# Allegro board Swan Feather PCB v3.0.brd (continued)
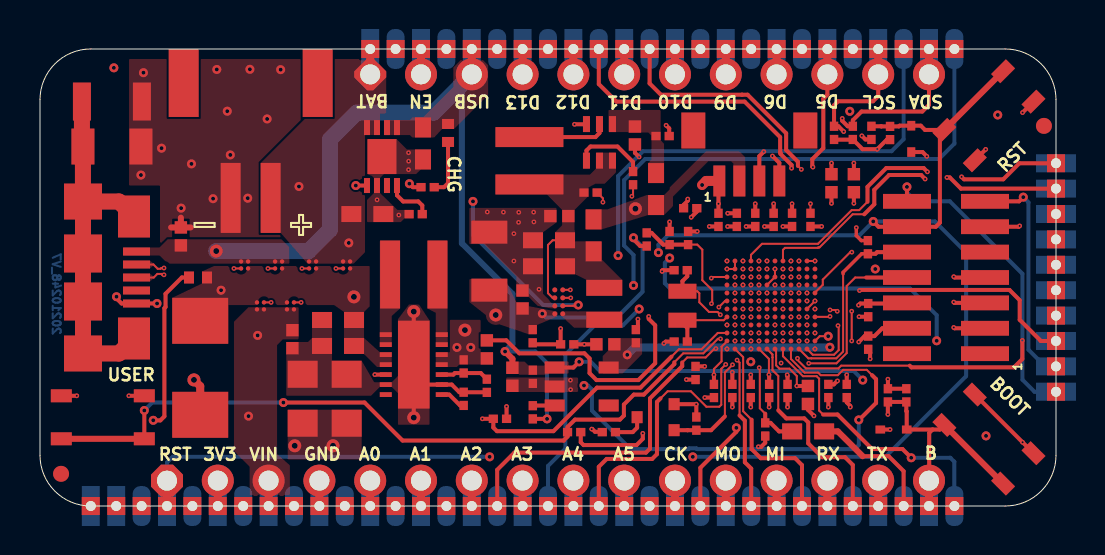
[diagram p0: board, top side]
## Placement (name value [footprint] x y rotation side) (continued)
PAD8  TPS  [PAD-THT-CAS-0050]  16.51 22.86 0 top
PAD9  TPS  [PAD-THT-CAS-0050]  17.78 0 0 top
PAD10  TPS  [PAD-THT-CAS-0050]  17.78 22.86 180 top
PAD11  TPS  [PAD-THT-CAS-0050]  19.05 0 0 top
PAD12  TPS  [PAD-THT-CAS-0050]  20.32 0 0 top
PAD13  TPS  [PAD-THT-CAS-0050]  21.59 0 0 top
PAD14  TPS  [PAD-THT-CAS-0050]  19.05 22.86 0 top
PAD15  TPS  [PAD-THT-CAS-0050]  20.32 22.86 180 top
PAD16  TPS  [PAD-THT-CAS-0050]  24.13 0 0 top
PAD17  TPS  [PAD-THT-CAS-0050]  21.59 22.86 0 top
PAD18  TPS  [PAD-THT-CAS-0050]  22.86 0 0 top
PAD19  TPS  [PAD-THT-CAS-0050]  22.86 22.86 180 top
PAD20  TPS  [PAD-THT-CAS-0050]  24.13 22.86 0 top
PAD21  TPS  [PAD-THT-CAS-0050]  25.4 0 0 top
PAD22  TPS  [PAD-THT-CAS-0050]  25.4 22.86 180 top
PAD23  TPS  [PAD-THT-CAS-0050]  26.67 0 0 top
PAD24  TPS  [PAD-THT-CAS-0050]  26.67 22.86 0 top
PAD25  TPS  [PAD-THT-CAS-0050]  27.94 0 0 top
PAD26  TPS  [PAD-THT-CAS-0050]  30.48 22.86 180 top
PAD27  TPS  [PAD-THT-CAS-0050]  29.21 0 0 top
PAD28  TPS  [PAD-THT-CAS-0050]  29.21 22.86 0 top
PAD29  TPS  [PAD-THT-CAS-0050]  30.48 0 0 top
PAD30  TPS  [PAD-THT-CAS-0050]  27.94 22.86 180 top
PAD31  TPS  [PAD-THT-CAS-0050]  31.75 0 0 top
PAD32  TPS  [PAD-THT-CAS-0050]  31.75 22.86 0 top
PAD33  TPS  [PAD-THT-CAS-0050]  33.02 0 0 top
PAD34  TPS  [PAD-THT-CAS-0050]  33.02 22.86 180 top
PAD35  TPS  [PAD-THT-CAS-0050]  34.29 0 0 top
PAD36  TPS  [PAD-THT-CAS-0050]  34.29 22.86 0 top
PAD37  TPS  [PAD-THT-CAS-0050]  35.56 0 0 top
PAD38  TPS  [PAD-THT-CAS-0050]  35.56 22.86 180 top
PAD39  TPS  [PAD-THT-CAS-0050]  36.83 0 0 top
PAD40  TPS  [PAD-THT-CAS-0050]  36.83 22.86 0 top
PAD41  TPS  [PAD-THT-CAS-0050]  38.1 0 0 top
PAD42  TPS  [PAD-THT-CAS-0050]  38.1 22.86 180 top
PAD43  TPS  [PAD-THT-CAS-0050]  39.37 0 0 top
PAD44  TPS  [PAD-THT-CAS-0050]  39.37 22.86 0 top
PAD45  TPS  [PAD-THT-CAS-0050]  40.64 0 0 top
PAD46  TPS  [PAD-THT-CAS-0050]  40.64 22.86 180 top
PAD47  TPS  [PAD-THT-CAS-0050]  41.91 0 0 top
PAD48  TPS  [PAD-THT-CAS-0050]  41.91 22.86 0 top
PAD49  TPS  [PAD-THT-CAS-0050]  43.18 0 0 top
PAD50  TPS  [PAD-THT-CAS-0050]  43.18 22.86 180 top
PAD51  TPS  [PAD-THT-CAS-0050]  44.45 0 0 top
PAD52  TPS  [PAD-THT-CAS-0050]  44.45 22.86 0 top
PAD53  TPS  [PAD-THT-CAS-0050]  45.72 0 0 top
PAD54  TPS  [PAD-THT-CAS-0050]  45.72 22.86 180 top
PAD55  TPS  [PAD-THT-CAS-0050]  50.8 5.71 90 top
PAD56  TPS  [PAD-THT-CAS-0050]  50.8 6.99 90 top
PAD57  TPS  [PAD-THT-CAS-0050]  50.8 8.26 90 top
PAD58  TPS  [PAD-THT-CAS-0050]  50.8 9.53 90 top
PAD59  TPS  [PAD-THT-CAS-0050]  50.8 10.79 90 top
PAD60  TPS  [PAD-THT-CAS-0050]  50.8 12.06 90 top
PAD61  TPS  [PAD-THT-CAS-0050]  50.8 13.34 90 top
PAD62  TPS  [PAD-THT-CAS-0050]  50.8 14.61 90 top
PAD63  TPS  [PAD-THT-CAS-0050]  50.8 15.88 90 top
PAD64  TPS  [PAD-THT-CAS-0050]  50.8 17.14 90 top
PAD65  TPS  [PAD-THT-CAS-0050]  15.24 0 0 top
PAD66  TPS  [PAD-THT-CAS-0050]  12.7 0 0 top
PAD67  TPS  [PAD-THT-CAS-0050]  10.16 0 0 top
PAD68  TPS  [PAD-THT-CAS-0050]  7.62 0 0 top
PAD69  TPS  [PAD-THT-CAS-0050]  5.08 0 0 top
PB1  PB-SKRPADE010  [PB-SKRPA]  47.45 3.35 135 top
PB2  PB-SKRPABE010  [PB-SKRPAB]  47.45 19.52 225 top
PB3  PB-SKRPADE010  [PB-SKRPA]  3.14 4.44 0 top
Q1  DMN62D0UW-7  [SOT323]  30.78 4.44 90 top
R1  1M  [RS-1206]  3.6 20.23 0 top
R2  10M  [RS-0201]  24.64 8.49 90 top
R3  NU  [RS-0603]  27.68 13.54 90 top
R4  0R  [RS-0603]  30.8 15.85 270 top
R5  1k  [RS-0201]  19.38 15.95 0 top
R6  1M  [RS-0201]  21.18 6.98 90 top
R7  2.8k  [RS-0201]  18.78 14.6 0 top
R8  1k  [RS-0402]  22.34 7.83 270 top
R9  82k  [RS-0201]  29.65 16.4 90 top
R11  180k  [RS-0201]  22.34 6.01 90 top
R12  10k  [RS-0201]  23 4.36 180 top
R13  8.2M  [RS-0201]  24.64 4.69 90 top
R24  10M  [RS-0201]  30.34 13.33 270 top
R25  NU  [RS-0201]  36.26 3.83 270 top
R27  1k  [RS-0201]  28.44 3.7 180 top
R28  10k  [RS-0201]  32.82 4.12 90 top
R29  10k  [RS-0201]  42.5 18.66 270 top
R30  10k  [RS-0201]  41.4 12.95 90 top
R31  10k  [RS-0201]  41.41 8.17 270 top
R37  10k  [RS-0201]  41.41 9.8 90 top
R38  0R  [RS-0603]  38.41 3.73 0 top
R39  4.3M  [RS-0201]  31.48 13.4 270 top
R40  10k  [RS-0201]  43.32 5.54 270 top
R41  10k  [RS-0201]  26.71 3.7 0 top
R42  10k  [RS-0201]  39.7 18.66 270 top
R43  10k  [RS-0201]  40.64 18.66 270 top
TVS1  SM6T6V8A  [SMB]  8.01 9.26 270 top
TVS2  ESD5Z3.3T1G  [SOD523]  42.68 3.83 180 top
TVS3  ESD5Z3.3T1G  [SOD523]  43.56 18.36 270 top
U1  TPS62748YFPT  [XFBGA8]  25.94 10.21 0 top
U2  TPS63020DSJR  [IC-TPS6302X]  18.69 7.07 90 top
U3  MCP73831-2ACI/MC  [VFDFN8-EXP]  17.1 17.48 180 top
U4  MAX17225ELT  [WDFN6-0200X0200]  27.97 18.19 270 top
U5  AP2139AK-3.3TRG1  [SOT23-5]  25.73 6.93 270 top
U6  STM32L4R5ZIY6  [WLCSP144]  36.55 10.06 180 top
U7  MAX40203ANS+T  [WLBGA4]  11.02 10.01 90 top
U8  MAX40203ANS+T  [WLBGA4]  12.52 10.01 90 top
U9  MAX40203ANS+T  [WLBGA4]  13.63 12.06 270 top
U10  MAX40203ANS+T  [WLBGA4]  15.33 12.06 270 top
U12  MAX40203ANS+T  [WLBGA4]  10.23 12.06 270 top
U13  MAX40203ANS+T  [WLBGA4]  11.93 12.06 270 top
Y1  ABS06-107-32.768KHZ-T  [Y-ABS06]  32.12 10.02 270 top

## Library data of the parts
C1 = CS-C-1206-10n/1kV: room: USB
C2 C3 = CS-C-0402-100n/16V: room: USB
C4 = CS-C-1206-47u/16V-X5R: room: DC-DC 1V8
C5 = CS-C-0402-4.7u/6V3-X5R: room: DC-DC 1V8
C6 C7 = CS-C-0603-10u/10V-X5R: room: DC-DC 1V8
C8 C11 C14 C17 C20 C22 C25 C26 C28 C30 C34-C45 = CS-C-0201-100n/16V-X5R
C9 C10 = CS-C-0603-4.7u/10V-X5R
C12 C13 = CS-C-0402-10u/6V3-X5R: room: DC-DC 3V3
C15 C16 = CS-T-A-100u/6.3V
C18 C19 = CS-C-0603-10u/10V-X5R: room: BUCK-BOOST
C21 C23 = CS-C-0402-1u/16-X5R: room: 3V3_USB_LDO
C24 C46 = CS-C-0201-10n/16V-X5R
C27 = CS-C-0402-4.7u/6V3-X5R: room: MCU
C29 C31 = CS-C-0402-1u/16-X5R: room: MCU
C32 C33 = CS-C-0201-4p/50V-C0G
FID1 FID2 = FIDUCIAL
J1 = USB - uUSB-B-10118192-0002LF: room: USB
J2 = STRIP-J-16-0254 - MDT
J3 = STRIP-J-12-0254 - MDT-00815
J4 = PH - J-2-0200-MOS-S2B
J5 = STRIP-J-7X2-0127-MDS-21691
J6 = SH - J-4-0100-MDS-SH-BM04B
L1 = L - 1285AS-H-2R2M=P2-2.2u/1.5A: room: DC-DC 1V8
L2 = PW-XFL4020-222ME - 2.2u/3.1A: room: DC-DC 3V3
L3 = PW-XFL4020-152ME - 1.5u/4.1A: room: BUCK-BOOST
LD1 = LED G - SML-P12WTT86R - 0402
LD2 = LED R - SML-P12U2TT86R - 0402: room: MCU_LED
PAD1-PAD69 = CASTELLATED PAD - 0050
PB1-PB3 = PB-SPST-SKRPADE010
Q1 = NMOS - DMN62D0UW-7 - 0.34A/60V
R1 = RS-1206-1M: room: USB
R2 R24 = RS-0201-10M
R3 R4 R38 = RS-0603-0r
R5 R27 = RS-0201-1k
R6 = RS-0201-1M
R7 = RS-0201-2.8k
R8 = RS-0402-1k
R9 = RS-0201-82k
R11 = RS-0201-180k
R12 R25 R28-R31 R37 R40-R43 = RS-0201-10k
R13 = RS-0201- 8.2M
R39 = RS-0201- 4.3M
TVS1 = TVS-UNI - SM6T6V8A - 6.8V/600W: room: INPUT
TVS2 TVS3 = TVS-UNI - ESD5Z3.3T - 3.3V/158W
U1 = BUCK - TPS62748YFPT - 0.3A/ADJ: room: DC-DC 1V8
U2 = BUCK-BOOST - TPS63020DSJR: room: BUCK-BOOST
U3 = BAT-CHARGE - MCP73831T-2ACI/MC
U4 = BOOST -  MAX17225ELT - 0.5A/ADJ: room: DC-DC 3V3
U5 = LDO - AP2139AK-3.3 - 0.25A/3V3: room: 3V3_USB_LDO
U6 = UC-144P - STM32L4S5ZIY6_2: room: MCU
U7-U10 U12 U13 = IDEAL-DIODE - MAX40203ANS+
Y1 = QUARZO-ABS06-107-32.768KHZ-T: room: MCU

## Footprints (pads in the part's own frame, mm; a bottom-side part is the same pattern mirrored in y, then rotated)
CS-C-0201
  rect 0.46x0.42 smd: 1(-0.33,0) 2(0.33,0)
CS-C-0402
  rect 0.62x0.62 smd: 1(-0.45,0) 2(0.45,0)
CS-C-0603
  rect 1x0.8 smd: 1(-0.8,0) 2(0.8,0)
CS-C-1206
  rect 1.15x1.8 smd: 1(-1.5,0) 2(1.4,0)
CS-T-A
  rect 1.35x1.5 smd: 1(-1.225,0) 2(1.225,0)
FIDUCIAL
  round 0.8 smd: 1(0,0)
IC-TPS6302X
  rect 0.24x0.6 smd: 1(-1.5,-1.4) 2(-1,-1.4) 3(-0.5,-1.4) 4(0,-1.4) 5(0.5,-1.4) 6(1,-1.4) 7(1.5,-1.4) 8(1.5,1.4) 9(1,1.4) 10(0.5,1.4) 11(0,1.4) 12(-0.5,1.4) 13(-1,1.4) 14(-1.5,1.4)
  rect 4.4x1.58 smd: 15(0,0)
J-2-0200-MOS-S2B
  rect 1.5x3.4 smd: (-3.35,2.9) (3.35,2.9)
  rect 1x3.5 smd: 1(1,-2.85) 2(-1,-2.85)
J-4-0100-MDS-SH
  rect 1.2x1.8 smd: (-1.3,2.525) (4.3,2.525)
  rect 0.6x1.55 smd: 1(0,0) 2(1,0) 3(2,0) 4(3,0)
J-5-0065-FOS-USB10118192-NOF
  rect 0.4x1.35 smd: 1(-1.3,0.125) 2(-0.65,0.125) 3(0,0.125) 4(0.65,0.125) 5(1.3,0.125)
  rect 2.1x1.6 smd: 6(-3.05,0) 7(3.05,0)
  rect 1.9x1.9 smd: 8(-1.2,-2.55) 9(1.2,-2.55)
  rect 1.8x1.9 smd: 10(-3.8,-2.55) 11(3.8,-2.55)
J-7X2-0127-MDS-21691
  rect 0.74x2.4 smd: 1(-3.81,-1.95) 2(-3.81,1.95) 3(-2.54,-1.95) 4(-2.54,1.95) 5(-1.27,-1.95) 6(-1.27,1.95) 7(0,-1.95) 8(0,1.95) 9(1.27,-1.95) 10(1.27,1.95) 11(2.54,-1.95) 12(2.54,1.95) 13(3.81,-1.95) 14(3.81,1.95)
J-12-0254-MDT
  rrect 1.6x1.6 hole 1: 1(-13.97,0)
  round 1.6 hole 1: 2(-11.43,0) 3(-8.89,0) 4(-6.35,0) 5(-3.81,0) 6(-1.27,0) 7(1.27,0) 8(3.81,0) 9(6.35,0) 10(8.89,0) 11(11.43,0) 12(13.97,0)
J-16-0254-MDT
  rrect 1.6x1.6 hole 1: 1(-19.05,0)
  round 1.6 hole 1: 2(-16.51,0) 3(-13.97,0) 4(-11.43,0) 5(-8.89,0) 6(-6.35,0) 7(-3.81,0) 8(-1.27,0) 9(1.27,0) 10(3.81,0) 11(6.35,0) 12(8.89,0) 13(11.43,0) 14(13.97,0) 15(16.51,0) 16(19.05,0)
LD-0402
  rect 0.5x0.6 smd: 1(-0.45,0) 2(0.45,0)
LS-0806
  rect 0.8x1.8 smd: 1(-0.8,0) 2(0.8,0)
LS-XFL4020
  rect 1x3.4 smd: 1(-1.185,0) 2(1.185,0)
PAD-THT-CAS-0050
  rect 0.9x0.9 hole 0.5: 1(0,0)
PB-SKRPA
  rect 1.05x0.65 smd: 1(-2.075,1.075) 2(2.075,1.075) 3(-2.075,-1.075) 4(2.075,-1.075)
PB-SKRPAB
  rect 1.05x0.65 smd: 1(-2.075,1.075) 2(2.075,1.075) 3(-2.075,-1.075) 4(2.075,-1.075)
RS-0201
  rect 0.46x0.42 smd: 1(-0.33,0) 2(0.33,0)
RS-0402
  rect 0.62x0.62 smd: 1(-0.45,0) 2(0.45,0)
RS-0603
  rect 1x0.8 smd: 1(-0.8,0) 2(0.8,0)
RS-1206
  rect 0.9x1.9 smd: 1(-1.5,0) 2(1.5,0)
SMB
  rect 2.3x2.8 smd: 1(0,0) 2(4.7,0)
SOD523
  rect 0.48x0.4 smd: 1(-0.66,0) 2(0.66,0)
SOT23-5
  rect 0.6x1 smd: 1(0,0) 2(0.95,0) 3(1.9,0) 4(1.9,2.7) 5(0,2.7)
SOT323
  rect 0.6x0.55 smd: 1(-0.65,-0.925) 2(0.65,-0.925) 3(0,0.925)
VFDFN8-EXP
  rect 0.3x0.75 smd: 1(-0.75,-1.45) 2(-0.25,-1.45) 3(0.25,-1.45) 4(0.75,-1.45) 5(0.75,1.45) 6(0.25,1.45) 7(-0.25,1.45) 8(-0.75,1.45)
  rect 1.45x1.75 smd: 9(0,0)
WDFN6-0200X0200
  rect 0.8x0.35 smd: 1(-0.915,0.65) 2(-0.915,0) 3(-0.915,-0.65) 4(0.915,-0.65) 5(0.915,0) 6(0.915,0.65)
WLBGA4
  round 0.22 smd: A1(-0.175,0.175) A2(0.175,0.175) B1(-0.175,-0.175) B2(0.175,-0.175)
WLCSP144
  round 0.24 smd: A1(-2.2,2.2) A2(-1.8,2.2) A3(-1.4,2.2) A4(-1,2.2) A5(-0.6,2.2) A6(-0.2,2.2) A7(0.2,2.2) A8(0.6,2.2) A9(1,2.2) A10(1.4,2.2) A11(1.8,2.2) A12(2.2,2.2) B1(-2.2,1.8) B2(-1.8,1.8) B3(-1.4,1.8) B4(-1,1.8) B5(-0.6,1.8) B6(-0.2,1.8) B7(0.2,1.8) B8(0.6,1.8) B9(1,1.8) B10(1.4,1.8) B11(1.8,1.8) B12(2.2,1.8) C1(-2.2,1.4) C2(-1.8,1.4) C3(-1.4,1.4) C4(-1,1.4) C5(-0.6,1.4) C6(-0.2,1.4) C7(0.2,1.4) C8(0.6,1.4) C9(1,1.4) C10(1.4,1.4) C11(1.8,1.4) C12(2.2,1.4) D1(-2.2,1) D2(-1.8,1) D3(-1.4,1) D4(-1,1) D5(-0.6,1) D6(-0.2,1) D7(0.2,1) D8(0.6,1) D9(1,1) D10(1.4,1) D11(1.8,1) D12(2.2,1) E1(-2.2,0.6) E2(-1.8,0.6) E3(-1.4,0.6) E4(-1,0.6) E5(-0.6,0.6) E6(-0.2,0.6) E7(0.2,0.6) E8(0.6,0.6) E9(1,0.6) E10(1.4,0.6) E11(1.8,0.6) E12(2.2,0.6) F1(-2.2,0.2) F2(-1.8,0.2) F3(-1.4,0.2) F4(-1,0.2) F5(-0.6,0.2) F6(-0.2,0.2) F7(0.2,0.2) F8(0.6,0.2) F9(1,0.2) F10(1.4,0.2) F11(1.8,0.2) F12(2.2,0.2) G1(-2.2,-0.2) G2(-1.8,-0.2) G3(-1.4,-0.2) G4(-1,-0.2) G5(-0.6,-0.2) G6(-0.2,-0.2) G7(0.2,-0.2) G8(0.6,-0.2) G9(1,-0.2) G10(1.4,-0.2) G11(1.8,-0.2) G12(2.2,-0.2) H1(-2.2,-0.6) H2(-1.8,-0.6) H3(-1.4,-0.6) H4(-1,-0.6) H5(-0.6,-0.6) H6(-0.2,-0.6) H7(0.2,-0.6) H8(0.6,-0.6) H9(1,-0.6) H10(1.4,-0.6) H11(1.8,-0.6) H12(2.2,-0.6) J1(-2.2,-1) J2(-1.8,-1) J3(-1.4,-1) J4(-1,-1) J5(-0.6,-1) J6(-0.2,-1) J7(0.2,-1) J8(0.6,-1) J9(1,-1) J10(1.4,-1) J11(1.8,-1) J12(2.2,-1) K1(-2.2,-1.4) K2(-1.8,-1.4) K3(-1.4,-1.4) K4(-1,-1.4) K5(-0.6,-1.4) K6(-0.2,-1.4) K7(0.2,-1.4) K8(0.6,-1.4) K9(1,-1.4) K10(1.4,-1.4) K11(1.8,-1.4) K12(2.2,-1.4) L1(-2.2,-1.8) L2(-1.8,-1.8) L3(-1.4,-1.8) L4(-1,-1.8) L5(-0.6,-1.8) L6(-0.2,-1.8) L7(0.2,-1.8) L8(0.6,-1.8) L9(1,-1.8) L10(1.4,-1.8) L11(1.8,-1.8) L12(2.2,-1.8) M1(-2.2,-2.2) M2(-1.8,-2.2) M3(-1.4,-2.2) M4(-1,-2.2) M5(-0.6,-2.2) M6(-0.2,-2.2) M7(0.2,-2.2) M8(0.6,-2.2) M9(1,-2.2) M10(1.4,-2.2) M11(1.8,-2.2) M12(2.2,-2.2)
XFBGA8
  round 0.25 smd: A1(0.2,-0.6) A2(-0.2,-0.6) B1(0.2,-0.2) B2(-0.2,-0.2) C1(0.2,0.2) C2(-0.2,0.2) D1(0.2,0.6) D2(-0.2,0.6)
Y-ABS06
  rect 0.75x1.4 smd: 1(-0.725,0) 2(0.725,0)

## Nets
+1V8: C6.1 C7.1 C11.1 C12.1 L1.2 L2.2 R3.1 U1.C2 U4.5 U4.6
+3V3: C13.1 C14.1 R4.1 U4.1
+3V3_OUT: C15.1 C16.1 J2.2 PAD5.1 R6.2 R8.2 U2.4 U2.5(VOUT#5)
+3V3_USB: C22.1 C23.1 C44.1 U5.5(VOUT) U6.B2
+VBAT: C9.1 J3.1 J4.1 PAD8.1 U3.3 U3.4 U9.A1(VDD) U9.B1 U10.A1(VDD) U10.B1
+VIN: C3.1 J2.3 PAD4.1 U7.A1(VDD) U7.B1 U8.A1(VDD) U8.B1
GND: C1.2 C2.2 C3.2 C4.2 C5.2 C6.2 C7.2 C8.2 C9.2 C10.2 C11.2 C12.2 C13.2 C14.2 C15.2 C16.2 C17.2 C18.2 C19.2 C20.2 C21.2 C22.2 C23.2 C24.2 C25.2 C26.2 C27.1 C28.2 C29.1 C30.2 C31.1 C32.2 C33.2 C34.2 C35.2 C36.2 C37.2 C38.2 C39.2 C40.2 C41.2 C42.2 C43.2 C44.2 C45.2 C46.2 J1.5 J2.4 J4.2 J5.5 J5.7 J5.11 J6.1 PAD6.1 PB2.1 PB2.2 PB3.1 PB3.2 Q1.2(S) R1.2 R7.1 R9.1 R11.1 R12.1 R28.2 R37.1 R39.1 R40.1 TVS1.2 TVS2.2 TVS3.2 U1.B2 U1.D1 U2.2 U2.13 U2.15 U3.6(VSS) U3.9 U4.3 U5.2 U6.A1 U6.A12 U6.B6 U6.D12 U6.F2 U6.F5 U6.G1 U6.G11 U6.J7 U6.K3 U6.K6 U6.K11(VSSA/VREF-) U6.L6 U6.M3 U6.M8 U6.M12 U7.B2 U8.B2 U9.B2 U10.B2 U12.B2 U13.B2
+VIO: C25.1 C26.1 C27.2 C28.1 C29.2 C30.1 C31.2 C36.1 C37.1 C38.1 C39.1 C40.1 C41.1 C42.1 C43.1 C45.1 C46.1 J5.3 J6.2 PB1.3 PB1.4 R3.2 R4.2 R25.2 R29.2 R30.2 R31.2 R41.2 R42.2 R43.2 U6.A6 U6.A8 U6.B1 U6.B12 U6.E3 U6.E10 U6.G2 U6.G12 U6.L7 U6.L11 U6.L12 U6.M1 U6.M2 U6.M11
+VMAIN: C4.1 C5.1 C18.1 C19.1 LD2.2 R2.2 R24.2 TVS1.1(C) U1.A2 U1.C1(VSEL) U2.10 U2.11 U7.A2 U8.A2 U9.A2 U10.A2 U12.A2 U13.A2
+VUSB: C2.1 C10.1 C20.1 C21.1 J1.1(VCC) J3.3 LD1.2 PAD17.1 R13.1 U3.1 U3.2 U5.1 U6.E4 U12.A1(VDD) U12.B1 U13.A1(VDD) U13.B1
A0: J2.5 PAD7.1 U6.L10
A1: J2.6 PAD11.1 U6.K10
A2: J2.7 PAD13.1 U6.J10
A3: J2.8 PAD16.1 U6.K12
A4: J2.9 PAD23.1 U6.L9
A5: J2.10 PAD27.1 U6.K8
A6: PAD29.1 U6.H7
A7: PAD33.1 U6.H9
BOOT: C35.1 J2.16 PAD51.1 PB1.1 PB1.2 R40.2 TVS2.1(C) U6.B9
CS: PAD65.1 U6.A4
CTS: PAD49.1 R38.2
CTS2: PAD22.1 U6.D6
CTS3: PAD38.1 U6.H4
D0: PAD9.1 U6.H1
D1: PAD12.1 U6.H2
D2: PAD18.1 U6.J6
D3: PAD21.1 U6.J5
D4: PAD25.1 U6.C11
D5: J3.10 PAD44.1 U6.L5
D6: J3.9 PAD40.1 U6.G6
D7: PAD46.1 U6.M7
D8: PAD42.1 U6.L8
D9: J3.8 PAD36.1 U6.F1
D10: J3.7 PAD32.1 U6.K9
D11: J3.6 PAD28.1 U6.M10
D12: J3.5 PAD24.1 U6.J8
D13: J3.4 PAD20.1 U6.G8
D14: PAD37.1 U6.B10
D15: PAD41.1 U6.A11
DISCHRG: R8.1 U6.D10
EN: C8.1 J3.2 PAD14.1 R2.1 U1.B1
JTDI: J5.10 R30.1 U6.A3
JTDO: J5.8 U6.B8
LED: Q1.1 R28.1 U6.B11
MISO: J2.13 PAD39.1 U6.H3
MOSI: J2.12 PAD35.1 U6.J3
NEN_3V3_OUT: R12.2 U2.12 U6.C12
QCLK: PAD60.1 U6.K5
QCS: PAD59.1 U6.C4
QEN: PAD53.1 U6.A5
QIO0: PAD64.1 U6.M5
QIO1: PAD63.1 U6.M9
QIO2: PAD62.1 U6.H5
QIO3: PAD61.1 U6.K4
RST#: C34.1 J2.1 J5.12 PAD3.1 PB2.3 PB2.4 R29.1 TVS3.1(C) U6.H11
RTS: PAD45.1 U6.A7
RTS2: PAD19.1 U6.C6
RTS3: PAD34.1 U6.B5
RX: J2.14 PAD43.1 U6.D5
RX0: J5.13 PAD56.1 U6.E2
RX2: PAD10.1 U6.E7
RX3: PAD26.1 U6.M4
SCK: J2.11 PAD31.1 U6.C5
SCL: J3.11 J6.4 PAD48.1 R42.1 U6.C9
SCL2: PAD50.1 U6.F8
SCL3: PAD58.1 U6.J11
SDA: J3.12 J6.3 PAD52.1 R43.1 U6.A9
SDA2: PAD54.1 U6.E9
SDA3: PAD57.1 U6.D2
SWCLK: J5.6 R37.2 U6.A2
SWDIO: J5.4 R31.1 U6.B3
TX: J2.15 PAD47.1 U6.D4
TX0: J5.14 PAD55.1 U6.E1
TX2: PAD15.1 U6.H8
TX3: PAD30.1 U6.L4
USB_DM: J1.2 PAD2.1 U6.C1
USB_DP: J1.3 PAD1.1 U6.C2
USB_SHIELD: C1.1 J1.6 J1.7 J1.8 J1.9 J1.10 J1.11 R1.1
N16738744: L2.1 U4.2
N16738898: L1.1(C) U1.A1
N16739094: R9.2 U4.4(SEL)
N16741263: C17.1 U2.1
N16741327: R6.1 R11.2 U2.3
N16741439: L3.1 U2.6 U2.7
N16741447: L3.2 U2.8 U2.9
N16745214: C33.1 U6.E11 Y1.1
N16745238: C32.1 U6.E12 Y1.2
N16746539: LD2.1(C) R27.2
N16746559: Q1.3 R27.1
N16760485: R7.2 U3.8
N16792389: R13.2 U5.3
N16823938: C24.1 R24.1 R39.2 U6.J9
N16873164: R25.1 R38.1 U6.C8
N16884921: R5.1 U3.5
N16885011: LD1.1(C) R5.2
N16886357: PB3.3 PB3.4 R41.1 U6.D11

Pads without a net: FID1 1; FID2 1; J1 4; J5 1 2 9; PAD66 1; PAD67 1; PAD68 1; PAD69 1; U1 D2; U2 14; U3 7; U5 4; U6 A10 B4 B7 C3 C7 C10 D1 D3 D7 D8 D9 E5 E6 E8 F3 F4 F6 F7 F9 F10 F11 F12 G3 G4 G5 G7 G9 G10 H6 H10 H12 J1 J2 J4 J12 K1 K2 K7 L1 L2 L3 M6

## Via types
v1: diameter 0.24, hole 0.1, TOP to GND, 215 vias
v2: diameter 0.45, hole 0.2, TOP to BOTTOM, 60 vias
v3: diameter 0.24, hole 0.1, GND to INT1, 79 vias
v4: diameter 0.4, hole 0.2, GND to POWER, 71 vias
v5: diameter 0.65, hole 0.3, TOP to BOTTOM, 10 vias

## Routing (per net, layer and track width the routed paths; a pad name or vN(x,y) marks a point on that pad's centre or on a via; arc(x,y) is an arc through that point)
+1V8: length 3.8
  TOP w0.1: U1.C2 25.63,10.41 25.4,10.64 25.4,13.06 25.63,13.29 C7.1
+3V3_OUT: length 7.6
  TOP w0.4: PAD5.1 J2.2
  GND w0.4: J2.2 PAD5.1
  INT1 w0.4: J2.2 PAD5.1
  INT2 w0.4: J2.2 PAD5.1
  POWER w0.4: J2.2 PAD5.1
  BOTTOM w0.4: J2.2 PAD5.1
  vias: v2(20.85,7.93) v2(21.54,7.93) v5(12.74,3.01) v5(14.65,3.01) v5(21.25,8.8)
+3V3_USB: length 14.8
  TOP w0.1: U6.B2 v1(38.35,8.26)
  TOP w0.2: C44.1 v1(40.34,6.56)
  GND w0.1: v1(38.35,8.26) 38.35,7.89 v4(38.32,7.85)
  GND w0.2: v4(40.64,7.48) 40.54,7.48 40.34,7.28 v1(40.34,6.56)
  POWER w0.4: v4(40.64,7.48) 40.18,7.94 v2(39.49,7.94) 38.41,7.94 v4(38.32,7.85)
  BOTTOM w0.4: v2(29.36,7.56) 29.37,7.56 29.73,7.93 39.48,7.93 v2(39.49,7.94)
+VBAT: length 7.6
  TOP w0.4: J3.1 PAD8.1
  GND w0.4: PAD8.1 J3.1
  INT1 w0.4: PAD8.1 J3.1
  INT2 w0.4: PAD8.1 J3.1
  POWER w0.4: PAD8.1 J3.1
  BOTTOM w0.4: PAD8.1 J3.1
  vias: v2(12.95,15.98) v2(15.44,13.16)
+VIN: length 7.6
  TOP w0.4: PAD4.1 J2.3
  GND w0.4: J2.3 PAD4.1
  INT1 w0.4: J2.3 PAD4.1
  INT2 w0.4: J2.3 PAD4.1
  POWER w0.4: J2.3 PAD4.1
  BOTTOM w0.4: J2.3 PAD4.1
  vias: v2(10.43,4.5) v2(10.88,8.53)
GND: length 60.1
  TOP w0.1: U13.B2 v1(11.4,11.88) ; v1(26.52,10.81) U1.D1 ; R9.1 29.65,15.55 v1(29.59,15.49) ; C11.2 28.15,15.39 v1(28.15,15.2) ; C38.2 v1(38.52,15.12) ; U8.B2 v1(13.06,10.18) ; U12.B2 v1(9.7,11.88) ; U6.F2 v1(38.75,10.26) ; U6.J7 U6.K6 v1(36.75,11.86) ; U7.B2 v1(11.56,10.18) ; U9.B2 v1(13.1,11.88) ; U10.B2 v1(14.8,11.88)
  TOP w0.2: C22.2 29.9,8.93 v1(29.9,9.35) ; C37.2 v1(34.62,4.95) ; C34.2 41.27,18.33 v1(41.09,18.52) ; C28.2 v1(36.46,4.95) ; 18.69,6.27 U2.15 v5(18.69,9.73) ; 18.69,6.27 v5(18.69,4.42) ; 18.69,6.27 18.89,6.07 U2.2 20.59,6.07 20.97,5.69 C17.2 22.34,5.69 R11.1 ; v1(45.69,11.47) 45.73,11.43 J5.7 ; C13.2 29.75,17.67 v1(29.95,17.46) ; v1(49.13,19.68) PB2.1 ; J5.5 45.73,10.16 v1(45.69,10.2) ; v1(42.4,6.34) C35.2 R40.1 ; v1(31.1,11.74) 31.1,11.77 31.13,11.8 C33.2 ; v1(26.73,19.09) 27.31,19.09 U4.3 ; v1(31.31,19.04) 31.46,18.89 C14.2 ; C32.2 31.29,8.22 v1(31.19,8.13) ; v1(39.42,4.95) C36.2 ; R12.1 v1(23.33,4.98) ; v1(44.34,17.49) 44.13,17.7 TVS3.2 ; C26.2 v1(37.38,4.95) ; C44.2 40.34,5.18 40.51,5.01 v1(40.51,4.95) ; PB3.1 v1(1.84,5.51) ; C45.2 v1(33.24,5.42) ; R28.2 32.82,5.09 v1(32.81,5.09) Q1.2 ; C40.2 v1(35.76,15.12) ; J6.1 33.92,16.22 v1(33.92,15.12) C30.2 ; v1(32.86,13.73) C24.2 ; C43.2 v1(34.39,14.64) ; C42.2 v1(36.68,15.12) ; J5.11 48.94,13.97 v1(48.98,14.01) ; PB3.2 v1(4.44,5.51) ; C27.1 38.4,4.81 v1(38.7,4.51) ; R37.1 v1(40.95,9.47) ; C46.2 v1(32.32,6.32) ; C39.2 32.18,15.06 32.39,15.27 v1(32.39,15.35) ; TVS2.2 v1(42.5,3.83) ; C41.2 v1(37.6,15.12) ; v2(5.85,10.13) J1.5 4.08,10.13 3.82,10.39 v2(3.82,10.47) ; C8.2 v1(27.22,8.09) C23.2 ; C31.1 v1(39.57,17.15) ; C29.1 v1(40.69,17.15) ; C25.2 v1(35.54,4.95) ; R39.1 v1(31.48,14.21) ; PB2.2 v1(47.29,17.84)
  TOP w0.3: C2.2 7.04,14.42 ; C2.2 6.56,13.93 ; C2.2 7.53,13.93
  TOP w0.4: 8.01,4.06 TVS1.2 8.01,6 v5(7.7,6.31) ; J2.4 PAD6.1
  TOP w0.5: v2(33.1,16.06) 33.31,16.26 J6.1
  GND w0.087: 39.49,4.92 39.46,4.92 39.44,4.95 v1(39.42,4.95)
  GND w0.2: 43.09,17.04 43.57,17.04 ; v1(31.48,14.21) v3(31.69,14.53)
  GND w0.4: J2.4 PAD6.1
  INT1 w0.4: J2.4 PAD6.1
  INT2 w0.4: J2.4 PAD6.1
  POWER w0.4: J2.4 PAD6.1
  BOTTOM w0.4: J2.4 PAD6.1
  vias: v1(16.85,15.31) v1(17.94,14.55) v1(18.43,17.67) v1(18.43,17.25) v1(18.43,16.82) v1(22.36,14.71) v1(23.17,14.7) v1(23.69,13.62) v1(23.69,12.25) v1(23.94,14.69) v1(23.93,14.19) v1(24.68,14.7) v1(24.7,14.21) v1(24.95,10.84) v1(26.52,6.29) v1(26.53,5.82) v1(34.35,12.26) v1(34.35,9.06) v1(34.35,7.86) v1(34.75,11.46) v1(34.75,10.26) v1(35.95,12.26) v1(36.75,8.26) v1(37.15,9.86) v1(37.95,12.26) v1(37.95,11.46) v1(38.75,7.86) v2(3.69,21.92) v2(5.05,16.56) v2(5.17,21.67) v2(6.08,17.9) v2(7.06,14.9) v2(7.57,17.11) v2(8.65,15.37) v2(8.84,21.83) v2(9.36,19.75) v2(9.52,17.56) v2(10.39,15.4) v2(10.5,21.84) v2(11.36,19.36) v2(12.03,21.83) v2(40.49,19.74) v2(47.3,3.51) v2(47.89,19.56) v3(19.96,17.4) v3(20.44,20.78) v3(20.65,4.93) v3(23.39,19.57) v3(23.81,16.93) v3(25.62,15.43) v3(26.04,19.49) v3(26.37,13.22) v3(28.45,18.98) v3(29,5.49) v3(30.71,19.55) v3(31.18,16.87) v3(33.03,18.37) v3(34.4,19.7) v3(35.88,16.94) v3(36.49,20.3) v3(37.27,18.13) v3(39.24,20.08) v3(39.32,4.43) v4(33.16,5.92) v4(34.63,5.46) v4(35.55,5.44) v4(36.49,5.43) v4(38.96,5.25) v4(39.92,5.02) v4(41.68,9.88)
+VIO: length 57.3
  TOP w0.1: U6.A6 36.8,7.8 36.8,7.51 36.81,7.51 36.81,7.04 36.97,6.87 37.47,6.87 37.84,6.5 v1(37.84,6) ; v2(39.41,8.49) 38.98,8.49 U6.B1 ; U6.B12 34.35,8.24 34.08,7.97 34.08,7.24 33.7,6.86 v1(33.7,6.56) ; v1(33.94,9.95) 34.25,10.26 U6.G12 ; U6.M11 U6.L11 v1(34.35,11.86) ; v1(36.45,6.57) 36.45,6.58 36.45,7.36 U6.A8 ; U6.M2 v1(38.75,12.26)
  TOP w0.17: v1(40.82,13.92) 40.82,13.52 41.06,13.28 R30.2
  TOP w0.2: R41.2 27.04,3.19 27.18,3.05 29.83,3.05 30.14,3.36 v1(30.14,3.63) ; C46.1 v1(33.23,6.98) ; v1(33.7,6.56) C45.1 ; R25.2 36.26,3.16 36.06,2.96 v1(35.92,2.96) ; J5.3 45.73,8.89 v1(45.69,8.93) ; C30.1 v1(33.47,13.98) ; v1(41.51,7.36) 41.51,7.69 41.39,7.81 41.39,7.81 R31.2 ; C36.1 39.69,6.08 39.86,6.26 v1(39.87,6.26) ; C43.1 v1(34.38,13.98) ; PB1.3 v1(49.13,3.19) PB1.4 ; C29.2 v1(40.69,15.14) ; R29.2 42.5,18.33 42.34,18.33 v1(41.86,17.85) 41.13,17.85 R43.2 40.63,18.32 39.71,18.32 R42.2 ; v1(37.36,6.56) 37.36,6.51 37.38,6.5 C26.1 ; C27.2 v1(37.84,6) ; C41.1 v1(37.15,13.98) ; C40.1 v1(35.31,13.98) ; C39.1 32.84,14.72 v1(32.56,14.44) ; C28.1 36.46,6.56 v1(36.45,6.57) ; C25.1 v1(35.54,6.56) ; v1(39.08,13.98) C38.1 ; C37.1 v1(34.62,6.69) ; C42.1 v1(36.23,13.98) ; C31.2 v1(39.57,15.14)
  GND w0.087: v4(33.63,9.42) 33.63,9.73 33.81,9.91 33.9,9.91 33.94,9.95 v1(33.94,9.95) 33.95,9.94 34.01,9.94 34.04,9.91 34.14,9.91 34.34,9.71 34.9,9.71 v1(35.15,9.46) ; v3(38.35,10.26) 38.35,9.86 v1(37.95,9.46) ; v1(36.35,11.86) 36.69,12.2 v4(36.69,12.81)
  GND w0.1: v4(39.44,10.82) 39.44,10.85 39.48,10.9 39.48,11.97
  GND w0.2: v1(34.38,13.98) v4(34.81,13.98) ; v1(37.84,6) 37.84,5.66 37.81,5.63 37.81,5.63 v4(37.78,5.6) ; v1(32.56,14.44) 32.47,14.36 v4(32.17,14.36) ; v1(39.87,6.26) v4(39.87,5.78) ; v1(36.45,6.57) 36.45,6.49 v4(36.45,6.1) ; v1(34.35,11.86) 34.09,11.86 v4(33.81,12.14) ; v1(39.08,13.98) 39.09,13.98 v4(39.41,14.3) ; v1(33.47,13.98) 33.47,15.42 v4(33.72,15.68) ; v1(35.92,2.96) 36.26,3.31 v4(36.26,4.01) ; v4(35.54,6.09) v1(35.54,6.56) ; v4(43.91,7.36) 41.59,7.36 41.58,7.36 v1(41.51,7.36) ; v1(40.69,15.14) 40.66,15.14 40.46,15.34 v4(40.46,15.76) ; v1(41.86,17.85) 41.79,17.85 41.54,17.6 v4(41.49,17.6) ; v4(38.88,12.91) 38.75,12.78 v1(38.75,12.26) ; v4(33.08,7.48) 33.08,7.02 33.11,6.98 v1(33.23,6.98) ; v4(40.94,14.3) 40.93,14.29 40.93,14.27 40.82,14.15 v1(40.82,13.92) ; v1(34.62,6.69) v4(34.62,6.1) ; v1(49.13,3.19) v4(48.81,3.5) ; v1(36.23,13.98) v4(36.68,13.98) ; v1(30.14,3.63) 30.33,3.82 30.87,3.82 v4(31.25,4.2) ; v4(39.34,15.76) 39.34,15.34 39.54,15.14 v1(39.57,15.14) ; v1(37.36,6.56) v4(37.36,6.1) ; v1(33.7,6.56) v4(33.7,6.12) ; v1(45.69,8.93) v4(46.13,8.93) ; v1(37.15,13.98) v4(37.59,13.98) ; v1(35.31,13.98) v4(35.74,13.98)
  INT1 w0.1: v4(39.44,10.82) 39.44,10.77 38.92,10.26 v3(38.35,10.26)
  vias: v5(29.77,14.87)
+VMAIN: length 19.3
  TOP w0.1: U1.C1 v3(26.54,10.41) 26.54,10.44
  TOP w0.2: v2(29.67,13.42) 29.67,13.34 30.01,13 R24.2
  INT1 w0.1: v3(26.54,10.41) 25.79,10.41 25.12,9.74 v2(25.12,9.62)
  POWER w0.8: v5(22.79,9.55) 22.79,9.78 21.99,10.58 15.82,10.58 v5(15.7,10.46)
  BOTTOM w0.2: v2(25.12,9.62) 25.3,9.43 28.84,9.43 30.13,10.72 30.13,12.96 v2(29.67,13.42)
  vias: v2(9.05,10.79)
+VUSB: length 70.2
  TOP w0.2: R13.1 v2(25.35,4.36) ; U5.1 26.67,6.93 v2(26.96,7.21)
  TOP w0.3: C21.1 23.62,7.36 v2(23.25,7.73)
  TOP w0.4: J3.3 PAD17.1
  GND w0.087: v1(37.55,9.46) 37.97,9.04 v4(37.97,8.89)
  GND w0.4: PAD17.1 J3.3
  INT1 w0.4: PAD17.1 J3.3
  INT2 w0.4: PAD17.1 J3.3
  POWER w0.4: PAD17.1 J3.3 ; v4(37.97,8.89) 38.1,9.02 40.33,9.02 41.14,8.21 v2(41.14,6.3)
  BOTTOM w0.2: v2(25.35,4.36) 25.35,7.15 24.77,7.73 v2(23.25,7.73) ; v2(26.96,7.21) 27.54,7.21 27.99,6.75 40.68,6.75 v2(41.14,6.3)
  BOTTOM w0.3: v2(23.25,7.73) 23.62,8.1 23.62,10.61 21.09,13.14 21.09,21.09
  BOTTOM w0.4: PAD17.1 J3.3
  BOTTOM w0.8: J3.3 19.68,19.68 15.84,19.68 14.5,18.33 14.5,13.82 13.43,12.75 v5(8.81,12.75)
A0: length 35.9
  TOP w0.4: J2.5 PAD7.1
  GND w0.4: J2.5 PAD7.1
  INT1 w0.087: v4(34.39,13.53) 34.39,13.53 34.83,13.1 34.83,12.18 v3(35.15,11.86)
  INT1 w0.4: J2.5 PAD7.1
  INT2 w0.087: 32.16,10.53 32.22,10.6 32.22,13.55 32.5,13.83 34.06,13.83 34.35,13.53 v4(34.39,13.53)
  INT2 w0.2: 32.16,10.53 30.33,8.71 30.33,7.41 27.81,4.88 21.07,4.88 19.24,3.04 17.3,3.04 16.51,2.25 J2.5
  INT2 w0.4: J2.5 PAD7.1
  POWER w0.4: J2.5 PAD7.1
  BOTTOM w0.4: J2.5 PAD7.1
A1: length 33
  TOP w0.4: J2.6 PAD11.1
  GND w0.4: J2.6 PAD11.1
  INT1 w0.087: v4(33.32,13.2) 34.33,13.2 34.63,12.9 34.63,11.98 v3(35.15,11.46)
  INT1 w0.4: J2.6 PAD11.1
  INT2 w0.087: v4(33.32,13.2) 33.01,13.2 32.64,12.83 32.64,9.8 32.16,9.31
  INT2 w0.2: 32.16,9.31 31.21,8.37 31.21,7.03 28.06,3.89 20.83,3.89 19.06,2.12 19.06,1.28 J2.6
  INT2 w0.4: J2.6 PAD11.1
  POWER w0.4: J2.6 PAD11.1
  BOTTOM w0.4: J2.6 PAD11.1
A2: length 30.9
  TOP w0.4: J2.7 PAD13.1
  GND w0.4: J2.7 PAD13.1
  INT1 w0.087: v3(35.15,11.06) 35.15,11.11 34.43,11.84 34.43,12.73 34.28,12.88 v4(34.18,12.88)
  INT1 w0.4: J2.7 PAD13.1
  INT2 w0.087: v4(34.18,12.88) 33.23,12.88 32.85,12.5 32.85,9.5 32.16,8.81
  INT2 w0.2: 32.16,8.81 31.6,8.25 31.6,6.84 28.28,3.51 22.03,3.51 21.59,3.08 J2.7
  INT2 w0.4: J2.7 PAD13.1
  POWER w0.4: J2.7 PAD13.1
  BOTTOM w0.4: J2.7 PAD13.1
A3: length 30.8
  TOP w0.1: v1(33.57,11.4) 33.57,11.4 33.63,11.46 U6.K12
  TOP w0.4: J2.8 PAD16.1
  GND w0.087: v1(33.57,11.4) 33.56,11.4 33.26,11.4 32.83,11.82 32.83,12.31 33.08,12.56 v4(33.5,12.56)
  GND w0.4: J2.8 PAD16.1
  INT1 w0.4: J2.8 PAD16.1
  INT2 w0.087: 32.16,9.92 32.44,10.2 32.44,13.23 32.73,13.53 33.88,13.53 34.2,13.21 34.4,13.21 34.51,13.11 34.51,12.74 34.32,12.56 v4(33.5,12.56)
  INT2 w0.2: v4(26.22,4.46) 27.99,4.46 30.76,7.23 30.76,8.53 32.16,9.92
  INT2 w0.4: J2.8 PAD16.1
  POWER w0.2: v4(26.22,4.46) 26.22,3.99 24.13,1.9 J2.8
  POWER w0.4: J2.8 PAD16.1
  BOTTOM w0.4: J2.8 PAD16.1
